# Allegro board SG2042_EVB_V1_1.brd (continued)
## Routing (per net, layer and track width the routed paths; a pad name or vN(x,y) marks a point on that pad's centre or on a via; arc(x,y) is an arc through that point) (continued)
  BOTTOM w0.089: v1(164.97,86.15) 165.35,85.77 166.63,85.77 166.8,85.6 185.22,85.6
  BOTTOM w0.16: J1.95 204.11,84.73 arc(203.85,84.9) 203.54,84.96 202.93,84.96 arc(202.63,84.9) 202.37,84.73 202.35,84.7 arc(202.09,84.53) 201.79,84.47 200.32,84.47 arc(200.01,84.53) 199.75,84.71 199.37,85.09 arc(199.11,85.26) 198.81,85.32 198.42,85.32 arc(198.11,85.26) 197.85,85.09 197.47,84.71 arc(197.21,84.53) 196.91,84.47 196.52,84.47 arc(196.21,84.53) 195.95,84.71 195.57,85.09 arc(195.31,85.26) 195.01,85.32 194.41,85.32 193.75,85.98 193.22,85.98 193.09,86.11 193.09,87.16 192.93,87.32 192.53,87.32 192.37,87.16 192.37,86.11 192.21,85.95 191.81,85.95 191.65,86.11 191.65,87.16 191.49,87.32 191.09,87.32 190.93,87.16 190.93,86.11 190.77,85.95 190.37,85.95 190.21,86.11 190.21,87.16 190.05,87.32 189.65,87.32 189.49,87.16 189.49,86.11 189.33,85.95 188.93,85.95 188.77,86.11 188.77,87.16 188.61,87.32 186.32,87.32 185.94,86.94 185.94,86.22 185.32,85.6 185.22,85.6
DDR0_DQ37: length 50.5
  TOP w0.16: U1.BH56 v1(165.97,86.15)
  BOTTOM w0.089: 185.22,86.53 185.22,86.54
  BOTTOM w0.114: v1(165.97,86.15) 166.68,86.15 166.86,85.97 184.66,85.97 185.22,86.53
  BOTTOM w0.16: J1.240 207.82,83.62 arc(207.51,83.68) 207.25,83.86 206.87,84.24 arc(206.61,84.41) 206.3,84.47 205.92,84.47 arc(205.61,84.53) 205.35,84.71 204.97,85.09 arc(204.71,85.26) 204.4,85.32 203.12,85.32 arc(202.81,85.38) 202.55,85.56 202.17,85.94 arc(201.91,86.11) 201.61,86.17 200.32,86.17 arc(200.01,86.23) 199.75,86.41 199.37,86.79 arc(199.11,86.96) 198.81,87.02 198.42,87.02 arc(198.11,86.96) 197.85,86.79 197.47,86.41 arc(197.21,86.23) 196.91,86.17 196.52,86.17 arc(196.21,86.23) 195.95,86.41 195.57,86.79 arc(195.31,86.96) 195.01,87.02 194.54,87.02 193.52,88.04 192.86,88.04 192.7,88.2 192.7,88.49 192.54,88.65 192.14,88.65 191.98,88.49 191.98,88.2 191.82,88.04 191.42,88.04 191.26,88.2 191.26,88.49 191.1,88.65 190.7,88.65 190.54,88.49 190.54,88.2 190.38,88.04 189.98,88.04 189.82,88.2 189.82,88.49 189.66,88.65 189.26,88.65 189.1,88.49 189.1,88.2 188.94,88.04 186.02,88.04 185.22,87.23 185.22,86.54
DDR0_DQ38: length 49.6
  TOP w0.16: U1.BL55 v1(164.97,83.15)
  BOTTOM w0.114: v1(164.97,83.15) 165.36,82.76 166.4,82.76 167.01,82.15 182.03,82.15 182.75,81.43 183.51,81.43
  BOTTOM w0.16: J1.102 205.95,78.53 arc(205.78,78.64) 205.59,78.68 202.64,78.68 arc(202.33,78.62) 202.07,78.45 201.69,78.07 arc(201.43,77.89) 201.12,77.83 200.36,77.83 arc(200.1,77.88) 199.88,78.03 199.46,78.45 arc(199.2,78.62) 198.9,78.68 198.03,78.68 arc(197.72,78.62) 197.46,78.45 197.04,78.02 arc(196.83,77.88) 196.58,77.83 196.55,77.83 arc(196.3,77.88) 196.09,78.02 195.66,78.45 arc(195.4,78.62) 195.1,78.68 194.68,78.68 194.17,79.19 190.89,79.19 190.73,79.03 190.73,78.37 190.57,78.21 190.17,78.21 190.01,78.37 190.01,79.03 189.85,79.19 189.45,79.19 189.29,79.03 189.29,78.37 189.13,78.21 188.73,78.21 188.57,78.37 188.57,79.03 188.41,79.19 188,79.19 187.84,79.03 187.84,78.37 187.68,78.21 187.28,78.21 187.12,78.37 187.12,79.03 186.96,79.19 186.56,79.19 186.4,79.03 185.92,79.03 183.51,81.43
DDR0_DQ39: length 51.6
  TOP w0.16: U1.BL53 v1(162.97,83.15)
  BOTTOM w0.089: v1(162.97,83.15) 163.6,82.52 166.19,82.52 166.93,81.78 181.88,81.78 182.74,80.92 183,80.92
  BOTTOM w0.16: J1.247 205.92,77.67 arc(205.61,77.73) 205.35,77.91 205.13,78.13 arc(204.87,78.3) 204.56,78.36 203.6,78.36 arc(203.29,78.3) 203.03,78.13 202.65,77.75 arc(202.39,77.57) 202.09,77.51 200.19,77.51 arc(199.92,77.57) 199.69,77.72 199.45,77.95 199.45,77.96 199.24,78.17 arc(199.03,78.31) 198.78,78.36 198.75,78.36 arc(198.5,78.31) 198.29,78.17 197.86,77.75 arc(197.6,77.57) 197.3,77.51 196.43,77.51 arc(196.12,77.57) 195.86,77.75 195.45,78.16 arc(195.23,78.31) 194.96,78.36 194.68,78.36 194.26,77.94 193.82,77.94 193.66,78.1 193.66,78.3 193.5,78.46 193.1,78.46 192.94,78.3 192.94,78.1 192.78,77.94 192.38,77.94 192.22,78.1 192.22,78.3 192.06,78.46 191.66,78.46 191.5,78.3 191.5,77.65 191.34,77.49 186.44,77.49 183,80.92
DDR0_DQ40: length 54.6
  TOP w0.16: U1.BR56 v1(165.97,79.15)
  BOTTOM w0.089: v1(165.97,79.15) 166.1,79.01 166.67,79.01 166.86,78.82 171.79,78.82 171.95,78.66
  BOTTOM w0.16: 171.95,78.66 176.81,78.66 177.2,78.28 177.2,78.05 176.62,77.47 176.62,77.25 176.9,76.96 177.13,76.96 177.71,77.54 177.93,77.54 178.22,77.26 178.22,77.04 177.63,76.45 177.63,76.23 177.92,75.94 178.14,75.94 178.73,76.53 178.95,76.53 179.23,76.24 179.23,76.02 178.65,75.44 178.65,75.21 178.94,74.93 179.16,74.93 179.74,75.51 179.97,75.51 180.25,75.22 180.25,75 179.67,74.42 179.67,74.19 179.96,73.91 180.18,73.91 180.76,74.49 180.99,74.49 181.27,74.21 181.27,73.98 180.69,73.4 180.69,73.17 180.97,72.89 181.2,72.89 181.78,73.47 182.01,73.47 182.67,72.81 192.62,72.81 193.6,73.79 194.47,73.79 194.68,73.58 195.1,73.58 arc(195.4,73.52) 195.66,73.35 196.09,72.92 arc(196.3,72.78) 196.55,72.73 196.58,72.73 arc(196.83,72.78) 197.04,72.92 197.46,73.35 arc(197.72,73.52) 198.03,73.58 198.9,73.58 arc(199.2,73.52) 199.46,73.35 199.88,72.93 arc(200.1,72.78) 200.36,72.73 201.12,72.73 arc(201.43,72.79) 201.69,72.97 202.07,73.35 arc(202.33,73.52) 202.64,73.58 205.57,73.58 arc(205.78,73.54) J1.108
DDR0_DQ41: length 55.4
  TOP w0.16: U1.BR55 v1(164.97,79.15)
  BOTTOM w0.114: v1(164.97,79.15) 165.47,78.65 166.52,78.65 166.71,78.45 171.44,78.45 171.95,77.94
  BOTTOM w0.16: J1.253 205.92,72.57 arc(205.61,72.63) 205.35,72.81 205.13,73.03 arc(204.87,73.2) 204.56,73.26 203.6,73.26 arc(203.29,73.2) 203.03,73.03 202.65,72.65 arc(202.39,72.47) 202.09,72.41 200.23,72.41 arc(199.92,72.47) 199.66,72.65 199.24,73.07 arc(199.03,73.21) 198.78,73.26 198.75,73.26 arc(198.5,73.21) 198.29,73.07 197.86,72.65 arc(197.6,72.47) 197.3,72.41 196.43,72.41 arc(196.12,72.47) 195.86,72.65 195.45,73.06 arc(195.23,73.21) 194.97,73.26 194.68,73.26 194.48,73.06 193.89,73.06 192.92,72.09 179.54,72.09 179.22,72.41 179.22,72.63 179.6,73.01 179.6,73.24 179.31,73.52 179.09,73.52 178.71,73.14 178.48,73.14 178.2,73.43 178.2,73.65 178.58,74.03 178.58,74.26 178.29,74.54 178.07,74.54 177.69,74.16 177.46,74.16 177.18,74.44 177.18,74.67 177.56,75.05 177.56,75.28 177.28,75.56 177.05,75.56 176.67,75.18 176.44,75.18 176.16,75.46 176.16,75.69 176.54,76.07 176.54,76.3 176.26,76.58 176.03,76.58 175.65,76.2 175.42,76.2 175.14,76.48 175.14,76.71 175.52,77.09 175.52,77.31 175.24,77.6 175.01,77.6 174.63,77.22 174.41,77.22 173.68,77.94 171.95,77.94
DDR0_DQ42: length 56.1
  TOP w0.16: U1.BT52 v1(161.97,78.15)
  BOTTOM w0.089: v1(161.97,78.15) 161.81,77.98 161.81,76.7 164.28,74.23 170.19,74.23 177.01,67.41 186.17,67.41 186.34,67.24
  BOTTOM w0.16: J1.115 204.1,67.21 203.66,67.21 arc(203.35,67.15) 203.09,66.97 202.29,66.17 arc(202.03,65.99) 201.72,65.93 200.36,65.93 arc(200.1,65.98) 199.88,66.13 199.46,66.55 arc(199.2,66.72) 198.9,66.78 198.03,66.78 arc(197.72,66.72) 197.46,66.55 197.04,66.12 arc(196.83,65.98) 196.58,65.93 196.55,65.93 arc(196.3,65.98) 196.09,66.12 195.66,66.55 arc(195.4,66.72) 195.1,66.78 194.57,66.78 194.42,66.93 193.57,66.93 192.5,65.86 192.5,65.24 192.34,65.08 191.94,65.08 191.78,65.24 191.78,65.65 191.62,65.81 191.22,65.81 191.06,65.65 191.06,65.24 190.9,65.08 190.5,65.08 190.34,65.24 190.34,65.65 190.18,65.81 189.78,65.81 189.62,65.65 189.62,65.24 189.46,65.08 189.06,65.08 188.9,65.24 188.9,65.65 188.74,65.81 188.34,65.81 188.18,65.65 188.18,65.24 188.02,65.08 187.62,65.08 187.46,65.24 187.46,66.42 186.63,67.24 186.34,67.24
DDR0_DQ43: length 62.6
  TOP w0.16: U1.BN52 v1(161.97,81.15)
  BOTTOM w0.114: v1(161.97,81.15) 161.44,80.61 161.44,76.54 164.13,73.86 170.04,73.86 176.86,67.04 185.81,67.04 186.34,66.52
  BOTTOM w0.16: J1.260 207.82,66.62 arc(207.51,66.68) 207.25,66.86 206.87,67.24 arc(206.61,67.41) 206.3,67.47 205.92,67.47 arc(205.61,67.41) 205.35,67.24 204.97,66.86 arc(204.71,66.68) 204.4,66.62 204.04,66.62 arc(203.73,66.56) 203.47,66.39 202.93,65.85 arc(202.67,65.67) 202.36,65.61 200.23,65.61 arc(199.92,65.67) 199.66,65.85 199.24,66.27 arc(199.03,66.41) 198.78,66.46 198.75,66.46 arc(198.5,66.41) 198.29,66.27 197.86,65.85 arc(197.6,65.67) 197.3,65.61 196.43,65.61 arc(196.12,65.67) 195.86,65.85 195.45,66.26 arc(195.23,66.41) 194.97,66.46 194.65,66.46 194.16,65.96 193.62,65.96 193.22,65.56 193.22,64.95 192.64,64.36 187.32,64.36 186.74,64.95 186.74,66.12 186.34,66.52
DDR0_DQ44: length 56.7
  TOP w0.16: U1.BN55 v1(164.97,81.15)
  BOTTOM w0.114: v1(164.97,81.15) 165.47,80.65 166.06,80.65 167.16,79.55 171.39,79.55 171.95,80.1
  BOTTOM w0.16: 171.95,80.1 180.42,80.1 180.75,79.78 180.75,79.55 180.14,78.95 180.14,78.72 180.43,78.44 180.65,78.44 181.26,79.05 181.48,79.05 181.77,78.76 181.77,78.54 181.16,77.93 181.16,77.71 181.44,77.42 181.67,77.42 182.27,78.03 182.5,78.03 182.78,77.74 182.78,77.52 182.18,76.91 182.18,76.69 182.46,76.4 182.69,76.4 183.29,77.01 183.52,77.01 183.8,76.73 183.8,76.5 183.2,75.89 183.2,75.67 183.48,75.39 183.71,75.39 184.31,75.99 184.54,75.99 184.82,75.71 184.82,75.48 184.22,74.88 184.22,74.65 184.5,74.37 184.73,74.37 185.33,74.97 185.56,74.97 186.28,74.25 192.02,74.25 193.26,75.48 194.48,75.48 194.68,75.28 195.1,75.28 arc(195.4,75.22) 195.66,75.05 196.09,74.62 arc(196.3,74.48) 196.55,74.43 196.58,74.43 arc(196.83,74.48) 197.04,74.62 197.46,75.05 arc(197.72,75.22) 198.03,75.28 198.9,75.28 arc(199.2,75.22) 199.46,75.05 199.88,74.63 arc(200.1,74.48) 200.36,74.43 201.12,74.43 arc(201.43,74.49) 201.69,74.67 202.07,75.05 arc(202.33,75.22) 202.64,75.28 205.57,75.28 arc(205.78,75.24) J1.106
DDR0_DQ45: length 55.5
  TOP w0.16: U1.BP56 v1(165.97,80.15)
  BOTTOM w0.089: 171.95,79.38 171.74,79.18 167.01,79.18 166.04,80.15 v1(165.97,80.15)
  BOTTOM w0.16: J1.251 205.92,74.27 arc(205.61,74.33) 205.35,74.51 205.13,74.73 arc(204.87,74.9) 204.56,74.96 203.6,74.96 arc(203.29,74.9) 203.04,74.73 202.65,74.35 arc(202.39,74.17) 202.09,74.11 200.23,74.11 arc(199.92,74.17) 199.66,74.35 199.24,74.77 arc(199.03,74.91) 198.78,74.96 198.75,74.96 arc(198.5,74.91) 198.29,74.77 197.86,74.35 arc(197.6,74.17) 197.3,74.11 196.43,74.11 arc(196.12,74.17) 195.86,74.35 195.44,74.77 arc(195.23,74.91) 194.97,74.96 194.68,74.96 194.48,74.76 193.56,74.76 192.32,73.53 184.32,73.53 183.65,74.2 183.42,74.2 182.97,73.75 182.74,73.75 182.46,74.04 182.46,74.26 182.91,74.71 182.91,74.94 182.63,75.22 182.4,75.22 181.95,74.77 181.72,74.77 181.44,75.05 181.44,75.28 181.89,75.73 181.89,75.96 181.61,76.24 181.38,76.24 180.93,75.79 180.71,75.79 180.42,76.07 180.42,76.3 180.87,76.75 180.87,76.98 180.59,77.26 180.36,77.26 179.91,76.81 179.69,76.81 179.4,77.09 179.4,77.32 179.85,77.77 179.85,77.99 179.57,78.28 179.35,78.28 178.9,77.83 178.67,77.83 178.39,78.11 178.39,78.34 178.84,78.79 178.84,79.01 178.47,79.38 171.95,79.38
DDR0_DQ46: length 55.8
  TOP w0.16: U1.BT53 v1(162.97,78.15)
  BOTTOM w0.114: v1(162.97,78.15) 162.97,77.95 162.53,77.51 162.53,77 164.58,74.95 170.49,74.95 177.31,68.13 185.79,68.13 186.34,68.68
  BOTTOM w0.16: 186.34,68.68 187.6,68.68 187.76,68.52 187.76,68.21 187.92,68.05 188.32,68.05 188.48,68.21 188.48,68.52 188.64,68.68 189.04,68.68 189.2,68.52 189.2,67.44 189.36,67.28 189.76,67.28 189.92,67.44 189.92,68.52 190.08,68.68 190.48,68.68 190.64,68.52 190.64,67.44 190.8,67.28 191.2,67.28 191.36,67.44 191.36,68.52 191.52,68.68 191.92,68.68 192.08,68.52 192.08,68.21 192.24,68.05 192.64,68.05 192.8,68.21 192.8,68.52 192.96,68.68 194.48,68.68 194.68,68.48 195.1,68.48 arc(195.4,68.42) 195.66,68.25 196.09,67.82 arc(196.3,67.68) 196.55,67.63 196.58,67.63 arc(196.83,67.68) 197.04,67.82 197.46,68.25 arc(197.72,68.42) 198.03,68.48 198.9,68.48 arc(199.2,68.42) 199.46,68.25 199.88,67.83 arc(200.1,67.68) 200.36,67.63 200.46,67.63 arc(200.76,67.69) 201.02,67.87 201.12,67.96 arc(201.35,68.12) 201.63,68.17 202.13,68.17 arc(202.44,68.23) 202.7,68.41 202.99,68.7 arc(203.25,68.87) 203.56,68.94 204.12,68.94 J1.113
DDR0_DQ47: length 57.8
  TOP w0.16: U1.BR52 v1(161.97,79.15)
  BOTTOM w0.089: v1(161.97,79.15) 162.47,78.65 162.47,77.97 162.16,77.66 162.16,76.84 164.43,74.58 170.34,74.58 177.16,67.77 186.14,67.77 186.34,67.96
  BOTTOM w0.16: J1.258 207.82,68.32 arc(207.51,68.38) 207.25,68.56 206.87,68.94 arc(206.61,69.11) 206.3,69.17 205.92,69.17 arc(205.61,69.11) 205.35,68.94 204.95,68.54 arc(204.71,68.38) 204.43,68.32 204.24,68.32 arc(204.1,68.29) 203.97,68.21 203.95,68.19 arc(203.82,68.1) 203.67,68.07 203.53,68.07 arc(203.27,68.02) 203.06,67.88 202.72,67.55 arc(202.46,67.37) 202.16,67.31 200.23,67.31 arc(199.92,67.37) 199.66,67.55 199.24,67.97 arc(199.03,68.11) 198.78,68.16 198.75,68.16 arc(198.5,68.11) 198.29,67.97 197.86,67.55 arc(197.6,67.37) 197.3,67.31 196.43,67.31 arc(196.12,67.37) 195.86,67.55 195.44,67.97 arc(195.23,68.11) 194.97,68.16 194.68,68.16 194.48,67.96 193.58,67.96 192.17,66.55 188.35,66.55 186.93,67.96 186.34,67.96
DDR0_DQ48: length 65.6
  TOP w0.16: U1.BJ52 v1(161.97,85.15)
  ART03 w0.089: v1(161.97,85.15) 162.38,85.55 166.14,85.55 166.47,85.22 166.47,83.12 166.47,83.12
  ART03 w0.168: J1.119 204.36,64.07 arc(204.19,63.96) 203.98,63.92 200.25,63.92 arc(199.93,63.98) 199.65,64.16 199.24,64.57 arc(199.03,64.72) 198.78,64.76 198.75,64.76 arc(198.5,64.72) 198.28,64.57 197.92,64.2 arc(197.64,64.02) 197.32,63.96 196.32,63.96 arc(196.07,64.01) 195.87,64.15 195.66,64.36 195.66,64.36 195.44,64.57 arc(195.23,64.72) 194.98,64.76 194.95,64.76 arc(194.7,64.72) 194.48,64.57 194.44,64.53 arc(194.2,64.37) 193.92,64.31 191,64.31 179.22,76.1 179.22,76.34 179.95,77.07 179.95,77.3 179.65,77.6 179.41,77.6 178.68,76.87 178.45,76.87 178.15,77.17 178.15,77.4 178.88,78.13 178.88,78.37 178.58,78.67 178.35,78.67 177.62,77.94 177.38,77.94 177.08,78.23 177.08,78.47 177.81,79.2 177.81,79.44 177.52,79.73 177.28,79.73 176.55,79 176.31,79 176.02,79.3 176.02,79.54 176.75,80.27 176.75,80.51 176.45,80.8 176.21,80.8 175.48,80.07 175.25,80.07 174.95,80.37 174.95,80.61 175.54,81.2 175.54,81.43 175.24,81.73 175.01,81.73 174.41,81.14 174.18,81.14 173.56,81.76 167.83,81.76 166.47,83.12
DDR0_DQ49: length 66.2
  TOP w0.16: U1.BH52 v1(161.97,86.15)
  ART03 w0.089: v1(161.97,86.15) 162.38,85.74 166.22,85.74 166.66,85.3 166.66,83.76 166.78,83.64
  ART03 w0.168: 166.78,83.64 168.08,82.34 175.74,82.34 180.95,77.13 180.95,76.89 180.22,76.16 180.22,75.93 180.52,75.63 180.75,75.63 181.48,76.36 181.72,76.36 182.02,76.06 182.02,75.83 181.29,75.1 181.29,74.86 181.58,74.56 181.82,74.56 182.55,75.29 182.79,75.29 183.08,75 183.08,74.76 182.35,74.03 182.35,73.79 191.21,64.94 193.92,64.94 194.06,65.08 195.08,65.08 arc(195.4,65.01) 195.67,64.83 196.08,64.42 arc(196.3,64.28) 196.55,64.23 196.58,64.23 arc(196.83,64.28) 197.04,64.42 197.26,64.63 197.26,64.64 197.49,64.87 arc(197.72,65.02) 197.99,65.08 198.88,65.08 arc(199.2,65.01) 199.47,64.83 199.88,64.42 arc(200.1,64.28) 200.35,64.23 201.97,64.23 arc(202.29,64.29) 202.56,64.47 202.61,64.52 arc(202.88,64.7) 203.2,64.76 204.55,64.76 arc(204.87,64.7) 205.14,64.52 205.34,64.32 arc(205.61,64.14) 205.93,64.07 206.29,64.07 arc(206.61,64.01) 206.88,63.83 207.24,63.47 arc(207.51,63.29) 207.83,63.22 J1.264
DDR0_DQ50: length 63.9
  TOP w0.16: U1.BM52 v1(161.97,82.15)
  ART03 w0.089: 167,77.82 166.62,78.19 166.62,78.34 166.22,78.74 162.8,78.74 162.57,78.97 162.57,81.55 v1(161.97,82.15)
  ART03 w0.168: 167,77.82 167.17,77.65 170.3,77.65 170.62,77.32 170.62,77.09 170.15,76.61 170.15,76.38 170.45,76.08 170.68,76.08 171.16,76.55 171.39,76.55 171.69,76.26 171.69,76.02 171.22,75.55 171.22,75.31 171.51,75.01 171.75,75.01 172.22,75.49 172.46,75.49 172.76,75.19 172.76,74.95 172.28,74.48 172.28,74.24 172.58,73.94 172.82,73.94 173.29,74.42 173.53,74.42 173.82,74.12 173.82,73.88 173.35,73.41 173.35,73.17 173.65,72.88 173.88,72.88 174.36,73.35 174.6,73.35 184.67,63.27 186.27,63.27 191.13,58.41 194.54,58.41 194.68,58.28 195.13,58.28 arc(195.4,58.22) 195.64,58.07 196.08,57.62 arc(196.3,57.48) 196.55,57.43 197.29,57.43 197.57,57.71 197.9,58.03 arc(198.17,58.21) 198.49,58.28 198.88,58.28 arc(199.2,58.21) 199.47,58.03 199.88,57.62 arc(200.1,57.48) 200.35,57.43 201.09,57.43 arc(201.41,57.49) 201.68,57.67 202.04,58.03 arc(202.32,58.21) 202.64,58.28 205.58,58.28 arc(205.79,58.24) J1.126
DDR0_DQ51: length 65.9
  TOP w0.16: U1.BM50 v1(159.97,82.15)
  ART03 w0.089: 166.58,77.4 166.58,77.96 166.43,78.11 166.43,78.26 166.14,78.55 162.72,78.55 162.38,78.89 162.38,81.46 162.29,81.55 160.57,81.55 v1(159.97,82.15)
  ART03 w0.168: 166.58,77.4 166.93,77.06 168.64,77.06 173.92,71.77 174.16,71.77 174.63,72.25 174.87,72.25 175.17,71.95 175.17,71.71 174.69,71.24 174.69,71 174.99,70.7 175.23,70.7 175.7,71.18 175.94,71.18 176.23,70.88 176.23,70.64 175.76,70.17 175.76,69.93 176.06,69.64 176.29,69.64 176.77,70.11 177.01,70.11 184.43,62.69 186.03,62.69 190.89,57.83 194.53,57.83 194.67,57.97 195.04,57.97 arc(195.23,57.93) 195.4,57.81 195.81,57.4 arc(196.08,57.22) 196.4,57.16 197.32,57.16 arc(197.64,57.22) 197.92,57.4 198.28,57.77 arc(198.5,57.92) 198.75,57.97 198.78,57.97 arc(199.03,57.92) 199.24,57.77 199.46,57.56 199.46,57.56 199.69,57.32 arc(199.92,57.17) 200.19,57.11 202.08,57.11 arc(202.4,57.18) 202.67,57.36 203.03,57.72 arc(203.3,57.9) 203.63,57.97 204.54,57.97 arc(204.87,57.9) 205.14,57.72 205.34,57.52 arc(205.61,57.34) 205.93,57.27 J1.271
DDR0_DQ52: length 69.1
  TOP w0.16: U1.BH49 v1(158.97,86.15)
  ART03 w0.089: v1(158.97,86.15) 159.57,86.74 166.22,86.74 167.17,85.79 167.17,84.91 167.48,84.6
  ART03 w0.168: 167.48,84.6 168.56,83.52 176.55,83.52 187.34,72.73 187.34,72.49 186.46,71.61 186.46,71.38 186.76,71.08 186.99,71.08 187.87,71.96 188.11,71.96 188.41,71.66 188.41,71.42 187.53,70.54 187.53,70.31 187.82,70.01 188.06,70.01 188.94,70.89 189.18,70.89 189.47,70.59 189.47,70.36 188.6,69.48 188.6,69.24 188.89,68.94 189.13,68.94 190.01,69.82 190.24,69.82 190.54,69.53 190.54,69.29 189.66,68.41 189.66,68.17 189.96,67.88 190.2,67.88 191.07,68.76 191.31,68.76 191.61,68.46 191.61,68.22 190.73,67.34 190.73,67.11 191.03,66.81 194.48,66.81 194.51,66.78 195.08,66.78 arc(195.4,66.71) 195.67,66.53 196.08,66.12 arc(196.3,65.98) 196.55,65.93 196.58,65.93 arc(196.83,65.98) 197.04,66.12 197.45,66.53 arc(197.73,66.71) 198.05,66.78 198.93,66.78 arc(199.21,66.72) 199.44,66.57 199.67,66.34 199.67,66.33 199.88,66.12 arc(200.1,65.98) 200.35,65.93 203.98,65.93 arc(204.19,65.89) J1.117
DDR0_DQ53: length 68.4
  TOP w0.16: U1.BH51 v1(160.97,86.15)
  ART03 w0.089: v1(160.97,86.15) 161.38,86.55 166.14,86.55 166.98,85.71 166.98,84.27 167.07,84.19
  ART03 w0.168: J1.262 207.83,64.92 arc(207.51,64.99) 207.24,65.17 206.88,65.53 arc(206.61,65.71) 206.29,65.77 205.93,65.77 arc(205.61,65.71) 205.34,65.53 205.14,65.32 arc(204.87,65.14) 204.55,65.08 203.2,65.08 arc(202.88,65.14) 202.61,65.32 202.56,65.37 arc(202.29,65.55) 201.97,65.62 200.19,65.62 arc(199.92,65.67) 199.69,65.82 199.46,66.06 199.46,66.06 199.24,66.27 arc(199.03,66.42) 198.78,66.46 198.75,66.46 arc(198.5,66.42) 198.28,66.27 198.07,66.06 198.07,66.06 197.86,65.85 arc(197.65,65.71) 197.41,65.66 196.4,65.66 arc(196.08,65.72) 195.81,65.9 195.44,66.27 arc(195.23,66.42) 194.98,66.46 194.95,66.46 arc(194.7,66.42) 194.48,66.27 194.32,66.11 arc(194.27,66.06) 194.21,66.02 arc(194.01,65.92) 193.79,65.89 191.09,65.89 185.5,71.48 185.5,71.72 186.39,72.61 186.39,72.85 186.09,73.14 185.86,73.14 184.96,72.25 184.73,72.25 184.43,72.55 184.43,72.78 185.32,73.68 185.32,73.91 185.03,74.21 184.79,74.21 183.9,73.32 183.66,73.32 183.36,73.61 183.36,73.85 184.26,74.74 184.26,74.98 176.31,82.93 168.32,82.93 167.07,84.19
DDR0_DQ54: length 65.4
  TOP w0.16: U1.BL51 v1(160.97,83.15)
  ART03 w0.089: v1(160.97,83.15) 161.38,82.74 163.3,82.74 163.57,82.47 163.57,79.97 163.8,79.74 166.22,79.74 167.11,78.85 167.36,78.85
  ART03 w0.168: 167.36,78.85 170.88,78.85 177.85,71.88 179.33,71.88 179.65,71.55 179.65,71.32 179.09,70.75 179.09,70.52 179.39,70.22 179.62,70.22 180.19,70.78 180.42,70.78 180.72,70.49 180.72,70.25 180.16,69.69 180.16,69.45 180.45,69.15 180.69,69.15 181.25,69.72 181.49,69.72 181.79,69.42 181.79,69.18 181.22,68.62 181.22,68.38 181.52,68.09 181.76,68.09 182.32,68.65 182.56,68.65 182.85,68.35 182.85,68.12 182.29,67.55 182.29,67.32 182.59,67.02 182.82,67.02 183.39,67.58 183.62,67.58 191.09,60.11 194.54,60.11 194.68,59.98 195.11,59.98 arc(195.4,59.92) 195.65,59.76 196.08,59.32 arc(196.3,59.18) 196.55,59.13 196.95,59.13 arc(197.27,59.19) 197.54,59.37 197.9,59.73 arc(198.17,59.91) 198.49,59.98 198.88,59.98 arc(199.2,59.91) 199.47,59.73 199.88,59.32 arc(200.1,59.18) 200.35,59.13 201.09,59.13 arc(201.41,59.19) 201.68,59.37 202.04,59.73 arc(202.32,59.91) 202.64,59.98 205.58,59.98 arc(205.79,59.94) J1.124
DDR0_DQ55: length 66.8
  TOP w0.16: U1.BL49 v1(158.97,83.15)
  ART03 w0.089: v1(158.97,83.15) 159.57,82.55 163.22,82.55 163.38,82.39 163.38,79.9 163.72,79.55 166.14,79.55 167.44,78.26
  ART03 w0.168: J1.269 205.93,58.97 arc(205.61,59.04) 205.34,59.22 205.14,59.42 arc(204.87,59.6) 204.54,59.67 203.63,59.67 arc(203.31,59.6) 203.03,59.42 202.67,59.06 arc(202.4,58.88) 202.08,58.81 200.25,58.81 arc(199.93,58.88) 199.65,59.06 199.24,59.47 arc(199.03,59.62) 198.78,59.67 198.75,59.67 arc(198.5,59.62) 198.28,59.47 198.07,59.26 198.07,59.26 197.84,59.02 arc(197.61,58.87) 197.33,58.81 196.45,58.81 arc(196.13,58.88) 195.85,59.06 195.41,59.51 arc(195.23,59.62) 195.03,59.67 194.67,59.67 194.53,59.53 190.85,59.53 185.94,64.44 185.7,64.44 185.14,63.87 184.9,63.87 184.61,64.17 184.61,64.41 185.17,64.97 185.17,65.21 184.87,65.5 184.64,65.5 184.07,64.94 183.84,64.94 183.54,65.24 183.54,65.47 184.1,66.04 184.1,66.27 183.81,66.57 183.57,66.57 183.01,66.01 182.77,66.01 170.54,78.23 167.46,78.23 167.44,78.26
DDR0_DQ56: length 69
  TOP w0.16: U1.BN50 v1(159.97,81.15)
  ART03 w0.089: 162.63,76.98 162.42,77.19 161.35,77.19 160.57,77.97 160.57,80.55 v1(159.97,81.15)
  ART03 w0.168: 162.63,76.98 168.72,70.89 168.95,70.89 169.57,71.51 169.81,71.51 170.11,71.22 170.11,70.98 169.49,70.36 169.49,70.12 169.78,69.83 170.02,69.83 170.64,70.45 170.88,70.45 171.17,70.15 171.17,69.91 170.55,69.29 170.55,69.06 170.85,68.76 171.09,68.76 171.71,69.38 171.95,69.38 172.24,69.08 172.24,68.85 171.62,68.23 171.62,67.99 171.92,67.69 172.16,67.69 172.78,68.31 173.01,68.31 173.31,68.02 173.31,67.78 172.69,67.16 172.69,66.92 173.36,66.25 173.36,65.18 183.39,55.15 194.4,55.15 194.68,54.88 195.13,54.88 arc(195.4,54.82) 195.64,54.67 195.87,54.44 195.87,54.43 196.08,54.22 arc(196.3,54.08) 196.55,54.03 196.95,54.03 arc(197.27,54.09) 197.54,54.27 197.9,54.63 arc(198.17,54.81) 198.49,54.88 198.88,54.88 arc(199.2,54.81) 199.47,54.63 199.88,54.22 arc(200.1,54.08) 200.35,54.03 201.09,54.03 arc(201.41,54.09) 201.68,54.27 202.04,54.63 arc(202.32,54.81) 202.64,54.88 205.58,54.88 arc(205.79,54.84) J1.130
DDR0_DQ57: length 67.4
  TOP w0.16: U1.BR50 v1(159.97,79.15)
  ART03 w0.089: v1(159.97,79.15) 160.38,78.74 160.38,77.89 161.27,77 161.78,77 162.12,76.67
  ART03 w0.168: J1.275 205.93,53.87 arc(205.61,53.94) 205.34,54.12 205.14,54.32 arc(204.87,54.5) 204.55,54.57 203.63,54.57 arc(203.31,54.5) 203.03,54.32 202.67,53.96 arc(202.4,53.78) 202.08,53.71 200.25,53.71 arc(199.93,53.78) 199.65,53.96 199.24,54.37 arc(199.03,54.52) 198.78,54.57 198.75,54.57 arc(198.5,54.52) 198.28,54.37 197.87,53.96 arc(197.6,53.78) 197.28,53.71 196.45,53.71 arc(196.13,53.78) 195.85,53.96 195.45,54.37 arc(195.23,54.51) 194.97,54.57 183.14,54.57 172.47,65.24 172.47,65.47 172.77,65.77 172.77,66.01 172.47,66.31 172.24,66.31 171.94,66.01 171.7,66.01 171.41,66.3 171.41,66.54 171.7,66.84 171.7,67.08 171.41,67.37 171.17,67.37 170.87,67.08 170.63,67.08 170.34,67.37 170.34,67.61 170.64,67.91 170.64,68.14 170.34,68.44 170.1,68.44 169.8,68.14 169.57,68.14 169.27,68.44 169.27,68.68 169.57,68.97 169.57,69.21 169.27,69.51 169.04,69.51 168.74,69.21 168.5,69.21 168.2,69.51 168.2,69.74 168.5,70.04 168.5,70.28 168.21,70.58 167.97,70.58 167.67,70.28 167.43,70.28 167.14,70.57 167.14,70.81 167.43,71.11 167.43,71.35 162.12,76.67
DDR0_DQ58: length 68.2
  TOP w0.16: U1.BT47 v1(156.97,78.15)
  ART03 w0.168: J1.137 203.06,47.47 arc(202.79,47.29) 202.47,47.23 200.08,47.23 199.67,47.63 199.67,47.64 199.44,47.87 arc(199.21,48.02) 198.93,48.08 198.05,48.08 arc(197.73,48.01) 197.45,47.83 197.04,47.42 arc(196.83,47.28) 196.58,47.23 196.55,47.23 arc(196.3,47.28) 196.08,47.42 195.67,47.83 arc(195.4,48.01) 195.08,48.08 194.68,48.08 194.5,48.25 192.35,48.25 192.19,48.09 192.19,47.79 192.02,47.62 191.6,47.62 191.43,47.79 191.43,48.09 191.26,48.25 190.84,48.25 190.68,48.09 190.68,47.79 190.51,47.62 190.09,47.62 189.92,47.79 189.92,48.09 189.75,48.25 189.34,48.25 189.17,48.09 189.17,47.79 189,47.62 188.58,47.62 188.41,47.79 188.41,48.09 188.25,48.25 187.83,48.25 187.66,48.09 187.66,47.79 187.49,47.62 187.07,47.62 186.9,47.79 186.9,48.09 186.74,48.25 186.32,48.25 186.15,48.09 186.15,47.79 185.98,47.62 185.56,47.62 185.4,47.79 185.4,48.09 185.23,48.25 183.68,48.25 181.95,49.99 162.92,69.02 162.92,70.09 156.97,76.04 v1(156.97,78.15)
DDR0_DQ59: length 74.2
  TOP w0.16: U1.BN47 v1(156.97,81.15)
  ART03 w0.168: v1(156.97,81.15) 156.47,80.65 156.47,75.71 162.33,69.85 162.33,68.78 184.09,47.02 193.92,47.02 194.67,47.76 194.98,47.76 arc(195.23,47.72) 195.44,47.57 195.85,47.16 arc(196.13,46.98) 196.45,46.92 197.28,46.92 arc(197.6,46.98) 197.87,47.16 198.28,47.57 arc(198.5,47.72) 198.75,47.76 198.78,47.76 arc(199.03,47.72) 199.24,47.57 199.71,47.11 arc(199.87,47) 200.06,46.96 202.77,46.96 arc(203.09,47.02) 203.36,47.2 203.86,47.7 arc(204.1,47.86) 204.39,47.92 204.43,47.92 arc(204.71,47.86) 204.96,47.7 205.34,47.32 arc(205.61,47.14) 205.93,47.07 206.29,47.07 arc(206.61,47.14) 206.88,47.32 207.24,47.68 arc(207.51,47.86) 207.83,47.92 J1.282
